# Altium PCB 4090ovo(003).pcbdoc (part 3 of 3)
Units mil, origin at the board's own origin, x right, y up, seen from the top; angles counter-clockwise.
Board outline 18925 x 10730 mil, 6 copper layers (Top Layer, Inner1, Inner2, Inner3, Inner4, Bottom Layer); 77 components, 121 nets, 755 pads, 1164 vias.
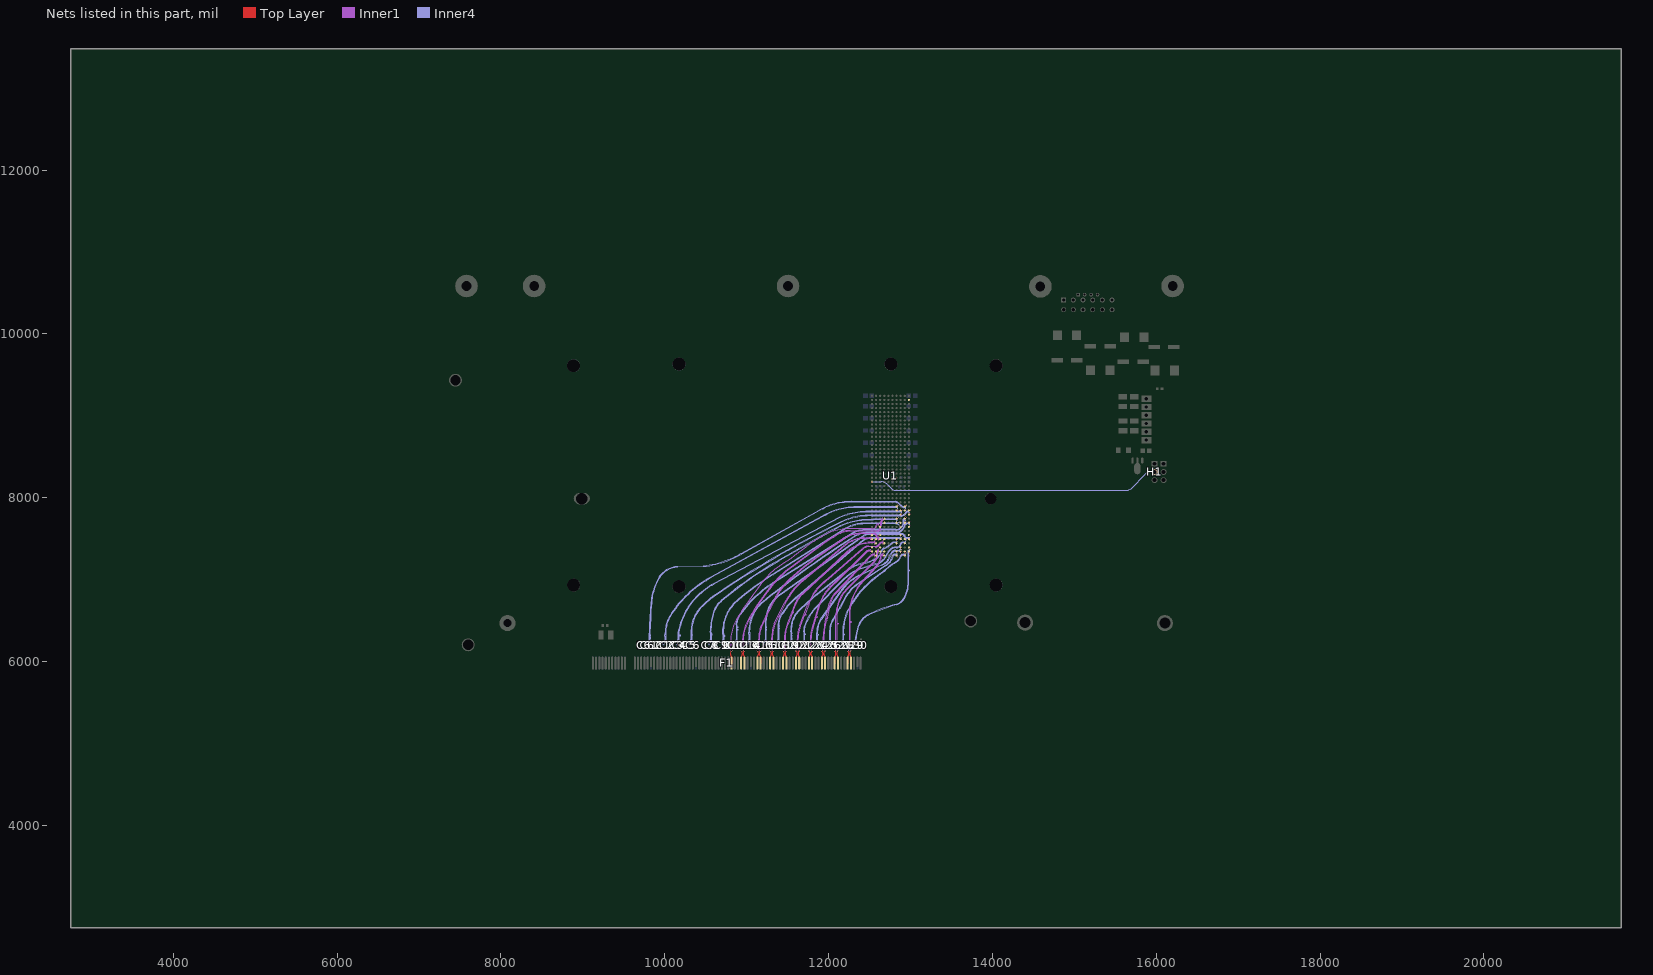
[diagram p7: the nets of this part, all layers, seen from the top]

## Via types
v1: diameter 17.7, hole 11.8, Top Layer to Bottom Layer, 1132 vias
v2: diameter 15, hole 10, Top Layer to Bottom Layer, 32 vias

## Nets (pads, with @x,y where several pads share a name; then routed paths per layer and width w, separated by ;. In a path a pad name is that pad's centre, name@x,y a point inside that pad or via, vN(x,y) a via of type N, cw(c..) or ccw(c..) an arc to the next point about the centre after c; other vN are vias at no path point) (continued)
RX6-: F1.B42 U1.C8 | length 2829
  Top Layer w5.07: v1(12615,7660) U1.C8@12630.01,7645
  Top Layer w5.1: F1.B42@10814.97,5981.22 10814.97,6056.7 ccw(c10789.81,6056.7) 10807.6,6074.49 cw(c10825.38,6092.28) 10800.23,6092.28 10800.23,6096.62 cw(c10854.51,6096.62) v1(10816.13,6135)
  Inner1 w5.9: v1(10816.13,6135) cw(c10850.28,6169.15) 10801.98,6169.15 10801.98,6196.66 10806.16,6200.83 10810.83,6200.83 10815,6205 10815,6211.66 10810.83,6215.83 10806.16,6215.83 10801.98,6220 10801.98,6235 cw(c11371.73,6235) 10855,6475 cw(c12677.83,5484.66) 10965,6655 cw(c17061.03,2489.71) 11185,6960 cw(c11971.21,6361.88) 11425,7185 11433.04,7190.33 ccw(c11431.09,7193.27) 11433.58,7190.78 11446.76,7200.13 ccw(c9274.01,10497.8) 11726.15,7402.24 cw(c12571.47,6335.11) 11959.45,7551.16 cw(c12249.82,6974.22) 12250,7620.11 12523.7,7620.11 ccw(c12529.94,7731.56) 12535.5,7620.07 ccw(c12532.87,7672.74) 12584.74,7663.21 cw(c12604.95,7659.5) 12604.95,7680.05 ; 12605,7680 cw(c12605,7670) 12615,7670 v1(12615,7660)
RX7+: F1.B45 U1.D10 | length 2788.8
  Top Layer w5.07: v1(12669.46,7756.08) ccw(c12695.56,7770.35) U1.D10@12680.01,7745
  Top Layer w5.1: F1.B45@10933.08,5981.22 10933.08,6056.7 cw(c10958.23,6056.7) 10940.44,6074.49 ccw(c10922.66,6092.28) 10947.81,6092.28 10947.81,6100.56 ccw(c10899.1,6100.56) v1(10933.54,6135)
  Inner1 w5.9: v1(10933.54,6135) ccw(c10899.4,6169.15) 10947.69,6169.15 10947.69,6250 cw(c11467.22,6250) 11006.33,6489.77 cw(c13578.25,5074.63) 11272.22,6891.13 cw(c12623.93,5826.36) 11470.98,7103.68 ; 11471.06,7103.74 ccw(c-60592.46,104094.92) 11475.8,7107.26 ; 11475.72,7107.2 11914.1,7432.95 cw(c12900.43,6105.58) 12120.33,7563.73 cw(c12265,7293.31) 12265,7600 12595,7600 ccw(c12597.76,7628.36) 12625,7620 ccw(c12299.17,7720) 12640,7720 cw(c12659.95,7720) 12659.95,7739.95 ; 12660,7740 ccw(c12660,7749.46) 12669.46,7749.46 v1(12669.46,7756.08)
RX7-: F1.B46 U1.D9 | length 2784.6
  Top Layer w5.07: v1(12669.46,7710.75) ccw(c12711.62,7727.57) U1.D9@12680.01,7695
  Top Layer w5.1: v1(10971.73,6135) ccw(c11005.58,6101.15) 10957.71,6101.15 10957.71,6092.28 ccw(c10982.86,6092.28) 10965.08,6074.49 cw(c10947.29,6056.7) 10972.45,6056.7 F1.B46@10972.45,5981.22
  Inner1 w5.9: v1(10971.73,6135) cw(c11005.88,6169.15) 10957.59,6169.15 10957.59,6212.59 10965,6220 10965,6227.59 10957.59,6235 10957.59,6250 cw(c11467.25,6250) 11015,6485 cw(c13578.25,5074.63) 11280,6885 cw(c12626.42,5824.4) 11476.88,7095.73 11920,7425 cw(c12900.43,6105.58) 12125,7555 cw(c12265,7293.31) 12265,7590.1 12594.82,7590.07 ; 12594.88,7590.05 cw(c12594.88,7589.88) 12595,7590 ccw(c12597.68,7628.38) 12634.46,7617.1 ccw(c12299.17,7720) 12649.9,7720 cw(c12659.95,7720) 12659.95,7730.05 ; 12660,7730 cw(c12653.68,7715.54) 12669.46,7715.54 v1(12669.46,7710.75)
RX8+: F1.B50 U1.C6 | length 2489.4
  Top Layer w5.07: v1(12615,7530) U1.C6@12630.01,7545
  Top Layer w5.1: v1(11129.62,6135) cw(c11093.29,6098.68) 11144.66,6098.68 11144.66,6092.28 cw(c11119.51,6092.28) 11137.29,6074.49 ccw(c11155.08,6056.7) 11129.93,6056.7 F1.B50@11129.93,5981.22
  Inner1 w5.9: v1(11129.62,6135) ccw(c11094.09,6170.52) 11144.33,6170.52 11144.33,6275 cw(c11585.53,6275) 11175.93,6438.96 cw(c14613.54,4939.48) 11351.39,6789.88 cw(c12146.97,6338.6) 11528.3,7012.29 cw(c13762.38,4579.52) 11879.36,7293.13 12179.3,7503.09 cw(c12371.67,7229.98) 12318.42,7559.77 cw(c12444.98,6776.03) 12444.98,7569.93 12549.88,7569.95 ccw(c12549.88,7570.12) 12550,7570 cw(c12550,7525.05) 12594.95,7525.05 ; 12595,7525 12595,7520 ccw(c12605,7520) 12605,7510 ccw(c12605,7520) 12615,7520 v1(12615,7530)
RX8-: F1.B51 U1.C5 | length 2486
  Top Layer w5.07: v1(12615,7479.8) U1.C5@12630.01,7495
  Top Layer w5.1: v1(11168.94,6135) ccw(c11203.67,6100.28) 11154.56,6100.28 11154.56,6092.28 ccw(c11179.71,6092.28) 11161.93,6074.49 cw(c11144.14,6056.7) 11169.3,6056.7 F1.B51@11169.3,5981.22
  Inner1 w5.9: v1(11168.94,6135) cw(c11204.47,6170.52) 11154.23,6170.52 11154.23,6235.13 11158.4,6239.3 11160.83,6239.3 11165,6243.47 11165,6250.13 11160.83,6254.3 11158.4,6254.3 11154.23,6258.47 11154.23,6275 cw(c11585.59,6275) 11185,6435 cw(c14613.54,4939.48) 11360,6785 cw(c12146.97,6338.6) 11535,7005 cw(c13762.38,4579.52) 11885,7285 12185,7495 cw(c12371.67,7229.98) 12320,7550 cw(c12444.98,6776.03) 12444.98,7560.03 ; 12445,7560 12550.02,7560 cw(c12550.1,7525.05) 12585.05,7525.05 12585,7520 ccw(c12605,7520) 12605,7500 cw(c12605,7490) 12615,7490 v1(12615,7479.8)
RX9+: F1.B54 U1.A6 | length 2183.3
  Top Layer w5.07: v1(12515,7529.75) U1.A6@12530.01,7545
  Top Layer w5.1: F1.B54@11287.41,5981.22 11287.41,6056.7 cw(c11312.56,6056.7) 11294.77,6074.49 ccw(c11276.99,6092.28) 11302.14,6092.28 11302.14,6099.65 ccw(c11252.15,6099.65) v1(11287.5,6135)
  Inner1 w5.9: v1(11287.5,6135) ccw(c11251.29,6171.21) 11302.5,6171.21 11302.5,6260 cw(c11941.18,6260) 11334.5,6459.63 cw(c11344.24,6457.88) 11335.31,6462.14 11461.14,6714.42 cw(c12237.26,6327.29) 11679.54,6991.5 12193.64,7422.59 cw(c12432.77,7137.4) 12311.78,7489.36 cw(c12435,7130.92) 12435,7509.95 12504.88,7509.95 ccw(c12504.88,7510.12) 12505,7510 ccw(c12505,7520) 12515,7520 v1(12515,7529.75)
RX9-: F1.B55 U1.A5 | length 2181.9
  Top Layer w5.1: F1.B55@11326.78,5981.22 11326.78,6056.7 ccw(c11301.62,6056.7) 11319.41,6074.49 cw(c11337.19,6092.28) 11312.04,6092.28 11312.04,6097.93 cw(c11364.47,6097.93) v1(11327.4,6135) ; v1(12515,7479.02) U1.A5@12530.01,7495
  Inner1 w5.9: v1(11327.4,6135) cw(c11363.61,6171.21) 11312.4,6171.21 11312.4,6260 cw(c11941.18,6260) 11343.9,6456.54 ccw(c11334.5,6459.63) 11344.24,6457.88 11386.87,6543.33 11392.46,6545.2 11394.83,6544.02 11400.42,6545.89 11403.39,6551.85 11401.52,6557.45 11399.16,6558.63 11397.29,6564.22 11470,6710 cw(c12237.26,6327.29) 11685.91,6983.92 12200,7415 cw(c12432.77,7137.4) 12315,7480 cw(c12435,7130.92) 12435,7500.05 12504.88,7500.05 cw(c12504.88,7499.88) 12505,7500 cw(c12505,7490) 12515,7490 v1(12515,7479.02)
RX10+: F1.B58 U1.B5 | length 2068
  Top Layer w5.07: v1(12565,7480.58) ccw(c12212.47,7862.55) U1.B5@12580.01,7495
  Top Layer w5.1: F1.B58@11444.89,5981.22 11444.89,6056.7 cw(c11470.04,6056.7) 11452.25,6074.49 ccw(c11434.47,6092.28) 11459.62,6092.28 11459.62,6102 ccw(c11412.95,6102) v1(11445.95,6135)
  Inner1 w5.9: v1(11445.95,6135) 11452.22,6141.27 ccw(c11433.49,6160) 11459.98,6160 11460,6315 cw(c12009.01,6267.3) 11495.32,6466.82 11580,6685 cw(c11962.53,6536.53) 11683.5,6837.38 12230,7345 cw(c12495.55,7059.11) 12360,7425 cw(c12554.95,6898.76) 12554.95,7459.95 ; 12555,7460 ccw(c12555,7470) 12565,7470 v1(12565,7480.58)
RX10-: F1.B59 U1.B4 | length 2065.1
  Top Layer w5.07: v1(12565,7429.86) U1.B4@12580.01,7445
  Top Layer w5.1: v1(11483.57,6135) ccw(c11517.49,6101.08) 11469.52,6101.08 11469.52,6092.28 ccw(c11494.67,6092.28) 11476.89,6074.49 cw(c11459.1,6056.7) 11484.26,6056.7 F1.B59@11484.26,5981.22
  Inner1 w5.9: 11469.86,6314.14 cw(c12009.01,6267.3) 11504.55,6463.23 11553.9,6590.4 11559.3,6592.78 11562.01,6591.72 11567.41,6594.1 11569.82,6600.31 11567.44,6605.71 11564.73,6606.76 11562.35,6612.16 11589.23,6681.42 cw(c11962.53,6536.53) 11690.23,6830.12 12236.74,7337.75 cw(c12495.55,7059.11) 12363.44,7415.72 cw(c12554.95,6898.76) 12554.95,7450.05 ; 11469.88,6314.1 11469.88,6160 ccw(c11497.19,6160) 11477.88,6140.69 v1(11483.57,6135) ; 12555,7450 cw(c12555,7440) 12565,7440 v1(12565,7429.86)
RX11+: F1.B62 U1.D5 | length 2031.3
  Top Layer w5.07: v1(12665,7479.8) U1.D5@12680.01,7495
  Top Layer w5.1: v1(11601.55,6135) cw(c11564.02,6097.47) 11617.1,6097.47 11617.1,6092.28 cw(c11591.95,6092.28) 11609.73,6074.49 ccw(c11627.52,6056.7) 11602.37,6056.7 F1.B62@11602.37,5981.22
  Inner1 w5.9: v1(11601.55,6135) ccw(c11566.03,6170.52) 11616.27,6170.52 11616.27,6265 cw(c12121.14,6265) 11645.21,6433.49 cw(c11655,6435) 11645.75,6438.53 11745.7,6700.45 cw(c12344.96,6471.98) 11893.02,6927.02 ; 11893.02,6927.03 cw(c12831.28,5982.3) 11993.12,7016.86 ; 11993.12,7016.92 12410,7380 cw(c12489.99,7288.16) 12490,7409.95 12569.88,7409.95 ccw(c12569.88,7410.12) 12570,7410 ccw(c12574.59,7454.73) 12615,7435 cw(c12654.95,7415.49) 12654.95,7459.95 ; 12655,7460 ccw(c12655,7470) 12665,7470 v1(12665,7479.8)
RX11-: F1.B63 U1.D4 | length 2032.5
  Top Layer w5.07: v1(12665,7429.86) U1.D4@12680.01,7445
  Top Layer w5.1: v1(11640.88,6135) ccw(c11674.4,6101.49) 11627,6101.49 11627,6092.28 ccw(c11652.15,6092.28) 11634.37,6074.49 cw(c11616.58,6056.7) 11641.74,6056.7 F1.B63@11641.74,5981.22
  Inner1 w5.9: v1(11640.88,6135) cw(c11676.41,6170.52) 11626.17,6170.52 11626.17,6265 cw(c12121.14,6265) 11654.55,6430.19 ccw(c11645.22,6433.5) 11655,6435 11704.7,6565.24 11710.08,6567.65 11714.69,6565.89 11720.07,6568.3 11722.45,6574.52 11720.04,6579.9 11715.43,6581.66 11713.02,6587.05 11754.95,6696.93 cw(c12344.96,6471.98) 11900,6920 cw(c12763.08,6050.97) 11995,7005 12416.5,7372.53 cw(c12489.99,7288.16) 12490,7400.05 12569.88,7400.05 cw(c12569.88,7399.88) 12570,7400 ccw(c12574.51,7454.77) 12623.9,7430.66 cw(c12654.95,7415.49) 12654.95,7450.05 ; 12655,7450 cw(c12655,7440) 12665,7440 v1(12665,7429.86)
RX12+: F1.B66 U1.A3 | length 1711.4
  Top Layer w5.07: v1(12515,7379.91) U1.A3@12530.01,7395
  Top Layer w5.1: v1(11759.44,6135) cw(c11722.88,6098.44) 11774.58,6098.44 11774.58,6092.28 cw(c11749.43,6092.28) 11767.21,6074.49 ccw(c11785,6056.7) 11759.85,6056.7 F1.B66@11759.85,5981.22
  Inner1 w5.9: v1(11759.44,6135) ccw(c11721.85,6172.59) 11775.01,6172.59 11775.01,6270 cw(c12254.46,6270) 11794.56,6405.51 cw(c11804.39,6406.69) 11794.9,6409.53 11870,6660 cw(c12468.14,6480.67) 12075.77,6966.44 12447.93,7332.43 12447.93,7332.68 cw(c12448.53,7332.68) 12448.11,7333.11 12455,7340 cw(c12499.95,7299.34) 12499.95,7359.95 ; 12500,7360 ccw(c12500,7375) 12515,7375 v1(12515,7379.91)
RX12-: F1.B67 U1.A2 | length 1714.9
  Top Layer w5.07: v1(12515,7329.58) cw(c13091.54,6783.47) U1.A2@12530.01,7345
  Top Layer w5.1: F1.B67@11799.22,5981.22 11799.22,6056.7 ccw(c11774.06,6056.7) 11791.85,6074.49 cw(c11809.63,6092.28) 11784.48,6092.28 11784.48,6096.38 cw(c11839.09,6096.38) v1(11800.48,6135)
  Inner1 w5.9: v1(11800.48,6135) cw(c11838.06,6172.59) 11784.91,6172.59 11784.91,6270 cw(c12254.46,6270) 11804.05,6402.71 ccw(c11794.56,6405.51) 11804.39,6406.69 11843.02,6535.54 11848.21,6538.34 11853.65,6536.71 11858.85,6539.51 11860.76,6545.88 11857.96,6551.08 11852.52,6552.71 11849.72,6557.9 11879.48,6657.16 cw(c12468.14,6480.67) 12081.99,6958.74 12457.25,7327.75 cw(c12457.68,7327.32) 12457.68,7327.93 ccw(c12457.68,7328.53) 12458.11,7328.11 12465,7335 cw(c12499.95,7301.94) 12499.95,7350.05 ; 12500,7350 cw(c12500,7335) 12515,7335 v1(12515,7329.58)
RX13+: F1.B70 U1.B2 | length 1618.2
  Top Layer w5.07: v1(12565,7329.58) cw(c13141.39,6783.62) U1.B2@12580.01,7345
  Top Layer w5.1: v1(11915,6135) cw(c11873.81,6093.81) 11932.06,6093.81 11932.06,6092.28 cw(c11906.91,6092.28) 11924.69,6074.49 ccw(c11942.48,6056.7) 11917.33,6056.7 F1.B70@11917.33,5981.22
  Inner1 w5.9: v1(11915,6135) ccw(c11876.68,6173.32) 11930.87,6173.32 11930.87,6255 cw(c12973.73,6255) 11956.73,6485.77 ; 11956.73,6485.78 12010.37,6712.28 cw(c12276.61,6649.25) 12077.87,6837.29 12507.81,7291.8 cw(c12549.95,7251.94) 12549.95,7309.95 ; 12550,7310 ccw(c12550,7325) 12565,7325 v1(12565,7329.58)
RX13-: F1.B71 U1.B1 | length 1614.9
  Top Layer w5.07: v1(12565,7280) U1.B1@12580.01,7295
  Top Layer w5.1: v1(11956.65,6135) ccw(c11992.11,6099.54) 11941.96,6099.54 11941.96,6092.28 ccw(c11967.11,6092.28) 11949.33,6074.49 cw(c11931.54,6056.7) 11956.7,6056.7 F1.B71@11956.7,5981.22
  Inner1 w5.9: v1(11956.65,6135) cw(c11994.97,6173.32) 11940.77,6173.32 11940.77,6255 cw(c12973.75,6255) 11966.36,6483.49 11969.2,6495.47 11975.22,6499.19 11977.52,6508.92 11973.81,6514.93 11975.34,6521.41 11980.36,6524.51 11981.21,6524.31 11986.23,6527.41 11987.76,6533.89 11984.66,6538.91 11983.82,6539.11 11980.72,6544.13 12020,6710 cw(c12276.61,6649.25) 12085.06,6830.49 12515,7285 cw(c12549.95,7251.94) 12549.95,7300.05 ; 12550,7300 cw(c12550,7285) 12565,7285 v1(12565,7280)
RX14+: F1.B74 U1.C3 | length 1631.3
  Top Layer w5.07: v1(12615,7379.52) cw(c13125.71,6899.3) U1.C3@12630.01,7395
  Top Layer w5.1: v1(12074.06,6135) cw(c12036.7,6097.64) 12089.54,6097.64 12089.54,6092.28 cw(c12064.39,6092.28) 12082.17,6074.49 ccw(c12099.96,6056.7) 12074.81,6056.7 F1.B74@12074.81,5981.22
  Inner1 w5.9: v1(12074.06,6135) ccw(c12037.85,6171.21) 12089.06,6171.21 12089.06,6570 cw(c12543.53,6569.85) 12225.5,6894.5 12558.16,7227.16 ccw(c12498.16,7290) 12585.05,7290 12585.05,7324.88 ccw(c12584.88,7324.88) 12585,7325 12585,7340 cw(c12605,7340) 12605,7360 ccw(c12605,7370) 12615,7370 v1(12615,7379.52)
RX14-: F1.B75 U1.C2 | length 1628.4
  Top Layer w5.07: v1(12615,7329.58) cw(c13191.25,6783.76) U1.C2@12630.01,7345
  Top Layer w5.1: v1(12113.96,6135) ccw(c12149.02,6099.94) 12099.44,6099.94 12099.44,6092.28 ccw(c12124.59,6092.28) 12106.81,6074.49 cw(c12089.02,6056.7) 12114.18,6056.7 F1.B75@12114.18,5981.22
  Inner1 w5.9: v1(12113.96,6135) cw(c12150.17,6171.21) 12098.96,6171.21 12098.96,6451.01 12103.13,6455.18 12110.83,6455.18 12115,6459.35 12115,6466.01 12110.83,6470.18 12103.13,6470.18 12098.96,6474.35 12098.96,6570 cw(c12543.53,6569.85) 12232.5,6887.5 12565,7220 ccw(c12498.16,7290) 12594.95,7290 12594.95,7324.88 cw(c12595.12,7324.88) 12595,7325 12595,7335 cw(c12605,7335) 12605,7345 cw(c12605,7335) 12615,7335 v1(12615,7329.58)
RX15+: F1.B78 U1.D2 | length 1523.9
  Top Layer w5.07: v1(12665,7329.97) U1.D2@12680.01,7345
  Top Layer w5.1: F1.B78@12232.29,5981.22 12232.29,6056.7 cw(c12257.44,6056.7) 12239.65,6074.49 ccw(c12221.87,6092.28) 12247.02,6092.28 12247.02,6101.36 ccw(c12199.45,6101.36) v1(12233.09,6135)
  Inner1 w5.9: v1(12233.09,6135) 12244.41,6146.32 ccw(c12230.73,6160) 12250.08,6160 12250.08,6619.86 ; 12250.05,6619.88 ccw(c12249.88,6619.88) 12250,6620 cw(c12856.83,6566.1) 12409.51,6979.69 12590,7175 ccw(c12465.56,7290) 12635,7290 cw(c12654.95,7290) 12654.95,7309.95 ; 12655,7310 ccw(c12655,7320) 12665,7320 v1(12665,7329.97)
RX15-: F1.B79 U1.D1 | length 1526.6
  Top Layer w5.07: v1(12665,7280) U1.D1@12680.01,7295
  Top Layer w5.1: F1.B79@12271.66,5981.22 12271.66,6056.7 ccw(c12246.5,6056.7) 12264.29,6074.49 cw(c12282.07,6092.28) 12256.92,6092.28 12256.92,6097.59 cw(c12309.82,6097.59) v1(12272.41,6135)
  Inner1 w5.9: v1(12272.41,6135) 12268.86,6138.56 cw(c12290.29,6160) 12259.98,6160 12259.99,6472.81 12264.16,6476.98 12270.83,6476.98 12275,6481.15 12275,6487.81 12270.83,6491.98 12264.17,6491.98 12259.99,6496.15 12260,6620 cw(c12856.62,6566.3) 12416.78,6972.97 12597.27,7168.28 ccw(c12465.56,7290) 12644.9,7290 cw(c12654.95,7290) 12654.95,7300.05 ; 12655,7300 cw(c12655,7290) 12665,7290 v1(12665,7280)
SXM_PRSNT2: U1.K39
THERM_OVER#: H1.2 U1.A19 | length 3570.4
  Inner4 w4.5: v1(12530.01,8193.84) 12644.74,8193.84 cw(c12644.74,8093.84) 12715.45,8164.55 12770,8110 ccw(c12818.28,8158.28) 12818.28,8090 15628.58,8090 ccw(c15628.58,8190) 15699.29,8119.29 15865.71,8285.71 cw(c15936.42,8215) 15936.42,8315 H1.2@15980,8315
TX0+: C61.2 U1.J13 | length 4134.3
  Top Layer w5.9: U1.J13@12930.01,7895 ccw(c12930.01,7896.49) 12931.06,7895.44 v1(12945.62,7910)
  Inner4 w4.5: v1(9790,6221.46) ccw(c9747.63,6263.83) 9807.55,6263.83 9807.55,6339.51 cw(c9808.75,6339.51) 9807.9,6340.35 ccw(c9807.06,6341.2) 9808.25,6341.2 9808.25,6346.2 cw(c10021.77,6346.25) 9808.44,6355.2 cw(c20482.3,5907.34) 9830,6719.99 cw(c10534.69,6666.24) 9920,7015 cw(c10169.24,6873.59) 10160,7160 10470,7170 ccw(c10322.42,8423.19) 10936.69,7320.95 11895,7855 cw(c12279.87,7164.39) 12280,7955 12812.49,7955 cw(c12812.49,7888.58) 12859.45,7935.55 12892.87,7902.13 ccw(c12923.96,7933.22) 12923.96,7889.25 12924.22,7889.25 ccw(c12924.22,7890.53) 12925.13,7889.63 ; 12925.12,7889.62 cw(c12926.03,7888.72) 12926.03,7890 12930,7890 ccw(c12930,7905.62) 12945.62,7905.62 v1(12945.62,7910)
TX0-: C62.2 U1.J12 | length 4137
  Top Layer w5.9: U1.J12@12930.01,7845 12936.86,7851.86 cw(c12944.45,7844.27) v1(12944.45,7855)
  Inner4 w4.5: v1(9835,6221.46) cw(c9877.37,6263.83) 9817.45,6263.83 9817.45,6277.35 9820.63,6280.53 9821.82,6280.53 9825,6283.71 9825,6292.35 9821.82,6295.53 9820.63,6295.53 9817.45,6298.71 9817.45,6307.35 9820.63,6310.53 9821.82,6310.53 9825,6313.71 9825,6322.35 9821.82,6325.53 9820.63,6325.53 9817.45,6328.71 9817.45,6339.51 ccw(c9816.25,6339.51) 9817.1,6340.35 cw(c9817.94,6341.19) 9816.75,6341.2 9816.75,6346.2 cw(c10029.91,6346.25) 9816.94,6355.2 cw(c20494.75,5906.39) 9838.48,6719.35 cw(c10534.69,6666.24) 9927.39,7010.8 cw(c10169.24,6873.59) 10160.27,7151.5 10470.99,7161.56 ccw(c10322.42,8423.19) 10940.82,7313.52 11899.14,7847.58 ; 11899.14,7847.57 cw(c12279.87,7164.39) 12280,7946.5 12812.49,7946.5 cw(c12812.49,7888.58) 12853.44,7929.54 12886.86,7896.12 ccw(c12923.96,7933.22) 12923.96,7880.75 12924.22,7880.75 cw(c12924.22,7879.47) 12925.13,7880.37 ; 12925.12,7880.38 ccw(c12926.03,7881.28) 12926.03,7880 12930,7880 cw(c12930,7865.55) 12944.45,7865.55 v1(12944.45,7855)
TX1+: C1.2 U1.G13 | length 3586.8
  Top Layer w5.9: U1.G13@12830.01,7895 v1(12845,7910)
  Inner4 w4.5: v1(9985,6219.69) ccw(c9942.63,6262.05) 10002.55,6262.05 10002.55,6308.11 9999.37,6311.29 9998.18,6311.29 9995,6314.47 9995,6323.11 9998.18,6326.29 9999.37,6326.29 10002.55,6329.47 10002.55,6344.51 cw(c10003.75,6344.51) 10002.9,6345.35 ccw(c10002.06,6346.2) 10003.25,6346.2 10003.25,6351.2 cw(c10421.22,6353.65) 10003.29,6360.2 cw(c10386.89,6354.19) 10060,6555 cw(c11202.21,5853.33) 10560,7030 11925,7775 cw(c12334.62,7097.8) 12335,7889.25 12818.72,7889.25 ccw(c12818.72,7890.53) 12819.63,7889.63 ; 12819.62,7889.62 cw(c12820.53,7888.72) 12820.53,7890 12830,7890 ccw(c12830,7905) 12845,7905 v1(12845,7910)
TX1-: C2.2 U1.G12 | length 3586.9
  Top Layer w5.07: U1.G12@12830.01,7845 ccw(c12830.58,7861.17) v1(12845.54,7855)
  Top Layer w5.9: U1.G12@12830.01,7845 ccw(c12830.01,7858.36) 12839.45,7848.91 v1(12845.54,7855)
  Inner4 w4.5: v1(10030,6221.46) cw(c10072.37,6263.83) 10012.45,6263.83 10012.45,6344.51 ccw(c10011.25,6344.51) 10012.1,6345.35 cw(c10012.94,6346.19) 10011.75,6346.2 10011.75,6351.2 cw(c10420.45,6353.65) 10011.8,6360.2 cw(c10386.89,6354.19) 10067.24,6550.55 cw(c11202.21,5853.33) 10564.07,7022.54 11929.4,7767.73 cw(c12334.62,7097.8) 12335,7880.75 12818.72,7880.75 cw(c12818.72,7879.47) 12819.63,7880.37 ; 12819.62,7880.38 ccw(c12820.53,7881.28) 12820.53,7880 12830,7880 cw(c12830,7864.46) 12845.54,7864.46 v1(12845.54,7855)
TX2+: C3.2 U1.H12 | length 3459.5
  Top Layer w5.07: U1.H12@12880.01,7845 ccw(c12878.23,7861.56) v1(12893.53,7855)
  Top Layer w5.9: U1.H12@12880.01,7845 12887.51,7852.51 cw(c12893.53,7846.49) v1(12893.53,7855)
  Inner4 w4.5: v1(10145,6221.46) 10145,6229.67 cw(c10170.69,6229.67) 10152.53,6247.83 ; 10152.52,6247.84 ccw(c10134.36,6266) 10160.05,6266 10160.05,6343.51 cw(c10161.25,6343.51) 10160.4,6344.35 ccw(c10159.56,6345.19) 10160.75,6345.2 10160.75,6353.7 cw(c10169.25,6353.7) 10160.88,6355.2 cw(c10988.08,6207.29) 10595,6950 12135,7765 cw(c12484.66,6916.88) 12485,7834.25 12868.72,7834.25 ccw(c12868.72,7835.53) 12869.63,7834.63 ; 12869.62,7834.62 cw(c12870.53,7833.72) 12870.53,7835 12880,7835 ccw(c12880,7848.53) 12893.53,7848.53 v1(12893.53,7855)
TX2-: C4.2 U1.H11 | length 3463.2
  Top Layer w5.9: U1.H11@12880.05,7795 ccw(c12880.01,7807.06) 12888.53,7798.53 v1(12895,7805)
  Inner4 w4.5: 10177.47,6247.83 cw(c10159.31,6229.67) 10185,6229.67 v1(10185,6221.46) ; 10177.48,6247.84 cw(c10195.64,6266) 10169.95,6266 10169.95,6307.03 10173.13,6310.22 10186.82,6310.22 10190,6313.4 10190,6322.03 10186.82,6325.22 10173.13,6325.22 10169.95,6328.4 10169.95,6343.51 ccw(c10168.75,6343.51) 10169.6,6344.35 cw(c10170.44,6345.19) 10169.25,6345.2 10169.25,6349.2 cw(c10217.76,6349.33) 10170.05,6358.13 cw(c10988.08,6207.29) 10598.98,6942.49 12138.24,7757.14 cw(c12484.66,6916.88) 12485,7825.75 12868.72,7825.75 cw(c12868.72,7824.47) 12869.63,7825.37 ; 12869.62,7825.38 ccw(c12870.53,7826.28) 12870.53,7825 12880,7825 cw(c12880,7810) 12895,7810 v1(12895,7805)
TX3+: C5.2 U1.K12 | length 3407
  Top Layer w5.07: U1.K12@12980.01,7845 ccw(c12980,7861.25) v1(12995,7855)
  Top Layer w5.9: U1.K12@12980.01,7845 12986.48,7851.47 cw(c12995,7842.94) v1(12995,7855)
  Inner4 w4.5: v1(10300,6221.46) ccw(c10257.63,6263.83) 10317.55,6263.83 10317.55,6349.51 cw(c10318.75,6349.51) 10317.9,6350.35 ccw(c10317.06,6351.19) 10318.25,6351.2 10318.25,6360.7 cw(c10763.84,6360.7) 10448.99,6676.01 cw(c11370.11,5753.54) 10645.27,6837.07 ; 10645.28,6837.07 cw(c17899.13,-4006.43) 12156.26,7707.63 cw(c12494.58,7017.53) 12535.75,7785 12837.1,7785 cw(c12842.61,7760) 12848.12,7785 12882.11,7785 ccw(c12882.11,7840.27) 12921.19,7801.19 12947.18,7827.18 cw(c12964.25,7810.11) 12964.25,7834.25 ccw(c12964.25,7858.39) 12981.32,7841.32 v1(12995,7855)
TX3-: C6.2 U1.K11 | length 3405.4
  Top Layer w5.07: U1.K11@12980.01,7795 ccw(c12981.41,7811.06) v1(12996.35,7805)
  Top Layer w5.9: U1.K11@12980.01,7795 ccw(c12980.01,7810.31) 12990.83,7799.48 v1(12996.35,7805)
  Inner4 w4.5: v1(10345,6221.46) cw(c10387.37,6263.83) 10327.45,6263.83 10327.45,6313.87 10330.63,6317.06 10331.82,6317.06 10335,6320.24 10335,6328.87 10331.82,6332.06 10330.63,6332.06 10327.45,6335.24 10327.45,6349.51 ccw(c10326.25,6349.51) 10327.1,6350.35 cw(c10327.94,6351.19) 10326.75,6351.2 10326.75,6360.7 cw(c10763.84,6360.7) 10455,6670 cw(c11370.11,5753.54) 10650,6830 cw(c17899.13,-4006.42) 12160.01,7700 cw(c12494.63,7017.44) 12527.4,7776.91 ccw(c12530,7785) 12530,7776.5 12838.12,7776.5 cw(c12842.61,7760) 12847.1,7776.5 12882.11,7776.5 ccw(c12882.11,7840.27) 12927.2,7795.18 12953.19,7821.17 cw(c12964.25,7810.11) 12964.25,7825.75 12966.68,7825.75 cw(c12966.68,7804.23) 12981.9,7819.45 v1(12996.35,7805)